# KiCad board Z3660_v023.kicad_pcb (continued)
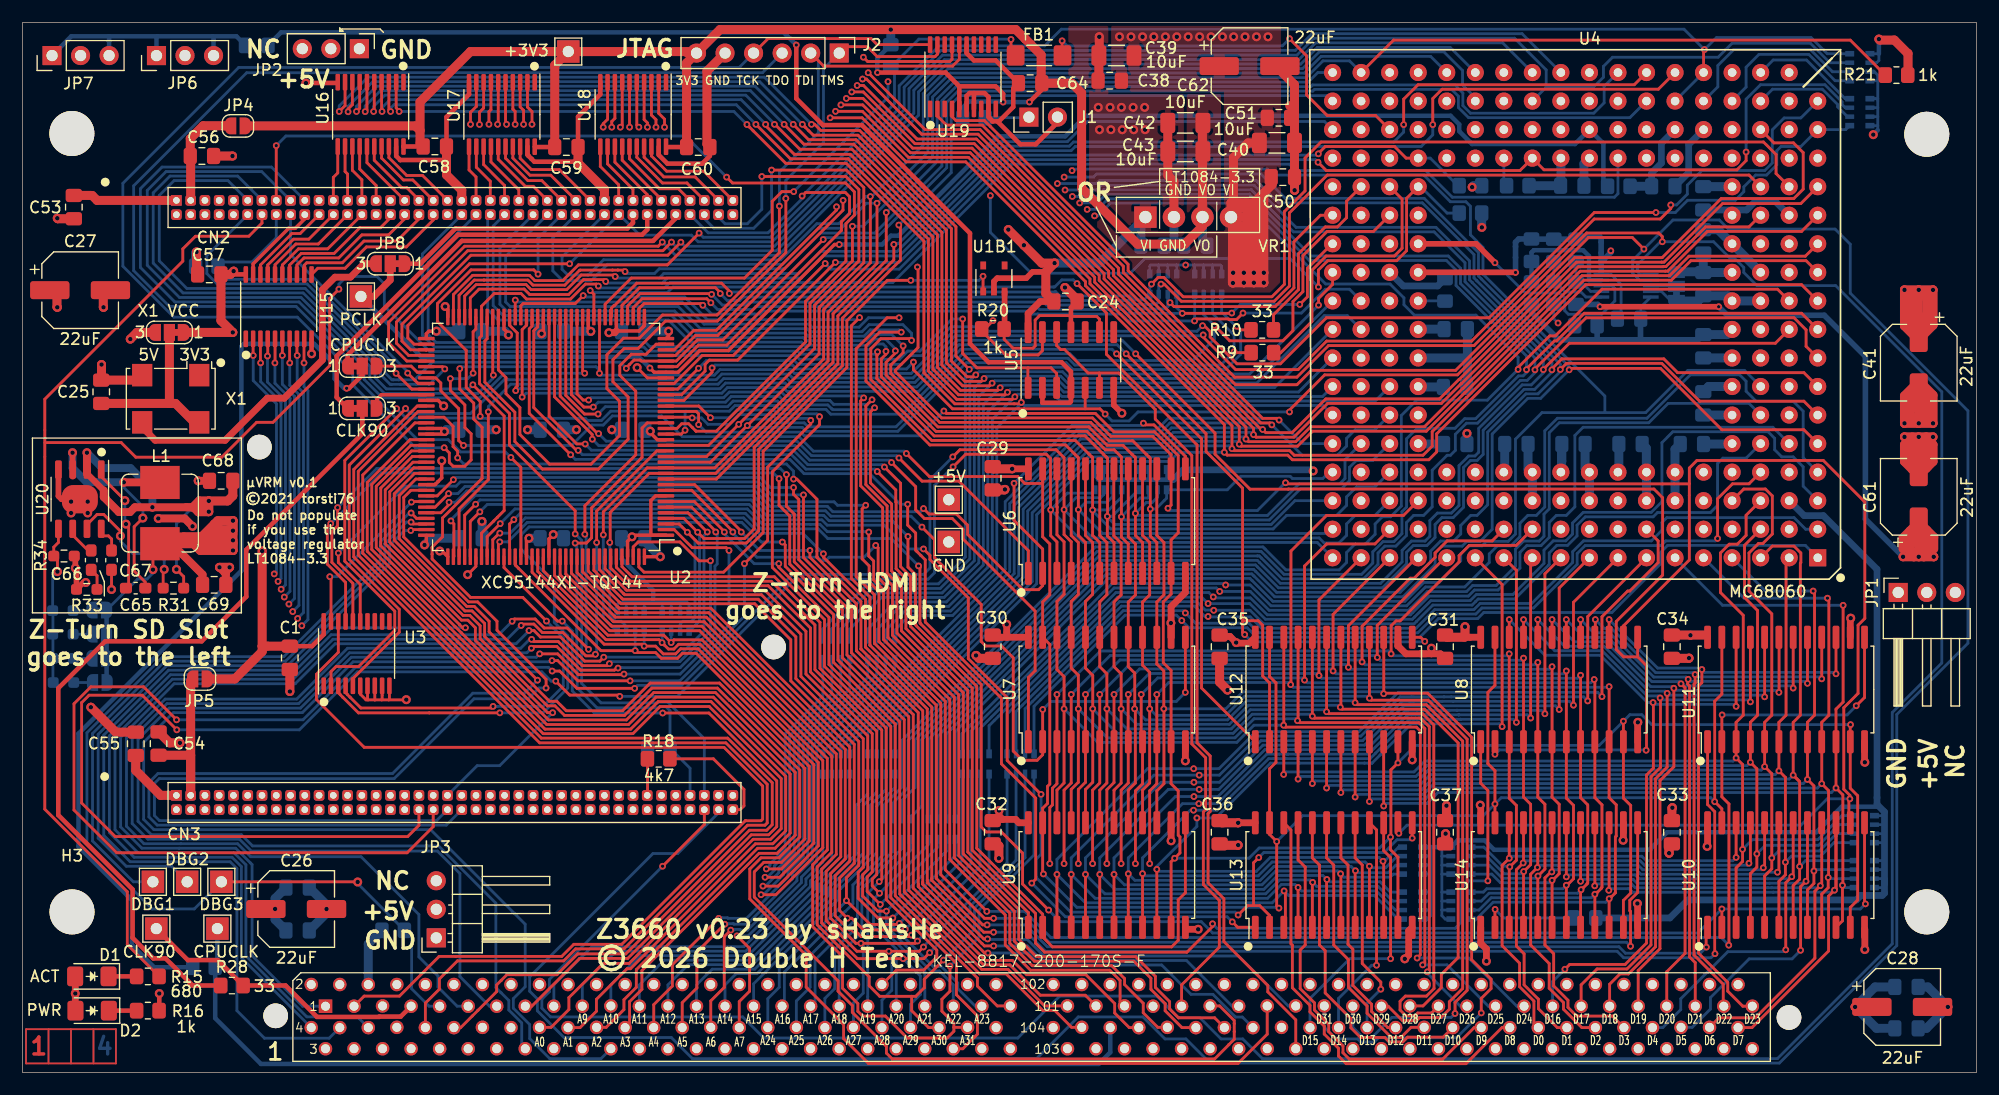
[diagram p0: board, top side]
## Routing (per net, layer and track width the routed paths; a pad name or vN(x,y) marks a point on that pad's centre or on a via; arc(x,y) is an arc through that point) (continued)
OEBUS5: length 123
  Top w0.25: v2(108.79,38.97) 108.6,39.16 108.6,40.2 ; U2.61 43.36,66.49 44.04,65.81 44.04,61.08 43.9,60.95 v2(43.9,60.67) ; 108.6,40.2 109.98,40.2 110.39,39.8 110.39,35.28 111,34.67 U12.2 ; 108.6,40.2 108.6,52 105.35,55.26 105.35,56.84 v2(98.24,63.96) ; v2(124.81,38.36) 124.45,38.73 123.7,38.73
  Bottom w0.25: v2(43.9,60.67) 44.08,60.85 62.08,60.85 62.58,61.35 67.88,61.35 68.22,61.01 79.6,61.01 83.35,64.76 97.43,64.76 v2(98.24,63.96) ; v2(124.81,38.36) 124.77,38.32 109.43,38.32 v2(108.79,38.97)
OEBUS6: length 182.5
  Top w0.25: v2(151.28,31.82) 151.26,31.8 U11.2 151.26,24.53 151.89,23.9 151.89,11.35 v2(151.87,11.33) ; v2(75.33,48.09) 75.33,45.95 75.76,45.52 75.76,43.83 76.64,42.95 76.64,38.53 82.14,33.03 82.14,18.04 v2(85.83,14.34) ; v2(42.52,48.84) 41.36,47.68 U2.116 ; v2(163.22,32.63) 163.96,33.37 163.96,38.73
  Bottom w0.25: v2(85.83,14.34) 89.2,14.34 91.53,12.01 151.2,12.01 v2(151.87,11.33) ; v2(75.33,48.09) 75.29,48.13 71.63,48.13 70.99,48.78 70.14,48.78 70.13,48.78 65.88,48.78 64.52,50.15 43.83,50.15 v2(42.52,48.84) ; v2(163.22,32.63) 162.41,31.82 v2(151.28,31.82)
OEBUS7: length 161.3
  Top w0.25: U10.2 v2(151.26,14.56) ; v2(164.03,15.01) 163.96,15.08 U10.13 ; v2(91.34,14.45) 89.02,16.77 89.02,19.52 87.14,21.41 85.79,21.41 85.34,21.86 85.34,34.54 79.96,39.92 79.96,39.94 79.89,40.01 79.89,44.95 v2(79.76,45.08) ; U2.120 43.36,48.81 v2(43.74,49.19)
  Bottom w0.25: v2(43.74,49.19) 44.29,49.75 64.35,49.75 65.73,48.38 70.82,48.38 71.68,47.52 77.32,47.52 v2(79.76,45.08) ; v2(164.03,15.01) 163.58,14.56 v2(151.26,14.56) 149.12,12.42 105.93,12.42 104.93,13.42 92.37,13.42 v2(91.34,14.45)
PCLK: length 133.9
  Top w0.3: v2(72.7,73.68) 72.27,73.68 62.84,64.25 60.29,64.25 58.36,62.31 U2.30 56.23,62.31 v2(55.85,62.69)
  Top w0.6: JP8.2 32.74,70.52 31.28,69.06 TP9.1
  Bottom w0.4: R12.1 140.72,79.23 140.72,82.66 139.47,83.9 138.19,82.62 129.02,82.62 127.88,83.76 127.88,84.36 127.11,85.14 94.64,85.14 92.81,83.31 86.82,83.31 77.98,74.47 77.31,74.47 76.52,73.68 v2(72.7,73.68) ; TP9.1 35.5,63.68 54.85,63.68 v2(55.85,62.69)
PCLK_FPGA: length 22.5
  Top w0.4: CN2.66 54.34,75.61 53.83,75.1 38.54,75.1 35.41,71.97 34.04,71.97 JP8.1
PCLK_OSC: length 31.9
  Top w0.6: JP8.3 31.43,71.97 30.39,71.97 29.2,70.78 27.82,70.78 26.7,69.66 26.7,63.41 23.3,60.01 21.79,60.01 18.04,56.26 11.82,56.26 10.66,57.42 X1.3
PS_MIO0: length 47.8
  Top w0.25: U2.78 37.39,62.81 v2(37.59,62.61)
  Bottom w0.25: v2(37.59,62.61) 36.23,61.24 35.07,61.24 35.07,61.24 33.66,61.24 33.66,61.24 32.85,61.24 32.85,61.24 32.72,61.24 31.87,62.1 31.87,63.07 25.17,69.77 14.63,69.77 12.18,72.22 12.18,78.05 13.5,79.37 18.28,79.37 CN2.11
PS_MIO8: length 68.6
  Top w0.25: U2.115 40.86,47.99 41.94,49.08 42.88,50.01 42.88,58.41 v2(40.09,61.2)
  Bottom w0.25: CN2.13 19.15,79.77 13.13,79.77 11.64,78.28 11.64,72.03 14.29,69.37 24.98,69.37 31.38,62.98 31.38,61.84 32.39,60.83 39.72,60.83 v2(40.09,61.2)
PS_MIO9: length 90.1
  Top w0.25: v2(22.59,82.48) CN2.15 ; v2(62.68,79.68) 63.2,79.16 73.26,79.16 74.05,78.37 74.05,76.29 73.3,75.54 73.3,72.21 69.7,68.61 69.7,65 61.76,57.07 59.95,57.07 59.94,57.08 59.61,57.41 59.61,57.41 59.29,57.73 58.67,57.73 58.25,57.31 U2.20
  Bottom w0.25: v2(22.59,82.48) 23.45,83.34 59.02,83.34 v2(62.68,79.68)
PS_MIO12: length 63.4
  Top w0.25: U2.64 41.86,62.11 v2(41.91,62.06)
  Bottom w0.25: 23.86,77.61 21.29,80.17 12.78,80.17 11.11,78.5 11.11,71.84 13.97,68.97 24.79,68.97 30.91,62.86 30.91,61.75 32.22,60.43 40.53,60.43 41.86,61.76 41.86,62 v2(41.91,62.06)
PS_MIO13: length 74.6
  Top w0.25: U2.48 49.86,62.41 v2(50.04,62.22)
  Bottom w0.25: v2(50.04,62.22) 50.04,62.22 42.89,62.22 40.7,60.03 32.06,60.03 30.41,61.68 30.41,62.77 24.61,68.57 13.56,68.57 10.5,71.64 10.5,78.65 12.42,80.57 22.16,80.57 CN2.19
PS_MIO15: length 20.5
  Top w0.25: v2(34.29,62.24) 34.93,61.59 34.93,61.59 35.14,61.39 35.14,61.39 35.21,61.31 U2.81
  Bottom w0.25: 23.86,76.34 23.86,72.78 34.29,62.35 v2(34.29,62.24)
PUP_4: length 8.9
  Top w0.25: v2(131.08,14.52) 131.06,14.5 U14.2
  Bottom w0.25: R14.2 131.84,13.76 v2(131.08,14.52)
R_W: length 96.9
  Top w0.25: CN1.5 30.41,6.8 33.55,6.8 37.08,10.33 38.55,10.33 38.55,10.33 48,10.33 49.07,11.41 53.34,11.41 64.34,22.41 64.37,22.41 64.37,22.41 65.74,22.41 65.89,22.55 65.89,25.49 62.44,28.94 30.42,28.94 26.16,33.19 26.16,35.44 28.11,37.39 U3.18
R_W040: length 169.7
  Top w0.25: v2(45.89,71.04) 45.51,71.42 39.93,71.42 36.93,68.42 36.93,66.82 39.5,64.26 39.5,60.96 40.74,59.71 v2(40.74,58.39) ; U2.19 58.63,56.81 v2(58.98,57.15) ; v2(106.09,66.48) 107.45,65.11 112.18,65.11 113.08,66.01 113.08,68.6 113.97,69.49 113.97,72.69 116.13,74.85 120.25,74.85 121.69,76.28 ; U3.2 27.46,35.67 27.91,36.12 29.92,36.12 33.14,39.35 33.14,41.05 28.69,45.5 28.69,54.46 v2(33.3,59.08)
  Bottom w0.25: v2(45.89,71.04) 45.89,74.24 CN2.56 ; 59.05,58.85 62.92,58.85 63.42,59.35 67.05,59.35 67.39,59.01 71.52,59.01 71.95,58.58 78.3,58.58 83.68,63.96 93.24,63.96 93.84,63.36 104.17,63.36 106.09,65.27 v2(106.09,66.48) 105.14,67.43 RN20.7 ; 59.05,58.85 52.36,58.85 51.53,58.02 50.3,58.02 50.1,58.21 40.92,58.21 v2(40.74,58.39) 40.59,58.24 34.14,58.24 v2(33.3,59.08) ; 59.05,58.85 58.98,58.77 v2(58.98,57.16)
RESETOUT: length 41.5
  Top w0.25: v2(86.38,66.9) 85.64,66.16 R20.1 85.38,65.98 87.5,63.86 90.4,63.86 90.78,64.23 U5.13 ; U2.27 58.32,60.81 v2(60.18,62.67)
  Bottom w0.25: v2(60.18,62.67) 60.86,63.35 68.7,63.35 69.04,63.01 78.22,63.01 79.01,63.8 80.08,63.8 82.64,66.36 82.68,66.36 82.69,66.36 85.84,66.36 v2(86.38,66.9)
SIZ0: length 124.6
  Top w0.25: U2.97 34.9,53.31 33.09,51.5 33.09,47.37 39.38,41.08 40.01,41.08 41.14,39.95 41.14,38.81 46.91,33.04 47.56,33.04 48.4,32.2 53.41,32.2 55.87,34.66 62.04,34.66 69.63,27.06 69.63,20.77 67.57,18.7 65.99,18.7 65.14,17.86 65.14,15.61 72.59,8.16 72.59,7.24 73.86,5.97 73.86,5.36 76.9,2.32 76.9,1.73 77.42,1.21 106.11,1.21 107.37,2.48 107.37,2.48 107.86,2.96 107.86,3.63 107.86,3.63 107.86,4.36 107.86,4.63 106.56,5.93 CN1.121
SIZ1: length 128.5
  Top w0.25: U2.96 34.83,53.81 32.69,51.67 32.69,47.2 39.22,40.68 39.81,40.68 40.74,39.76 40.74,38.61 46.72,32.62 47.4,32.62 48.24,31.78 53.59,31.78 56.02,34.21 61.85,34.21 62.95,33.11 62.99,33.11 69.19,26.91 69.19,20.95 67.34,19.11 65.74,19.11 64.74,18.11 64.74,15.45 69.76,10.43 69.76,7.6 73.09,4.27 73.09,3.02 75.3,0.81 108.19,0.81 110.79,3.41 CN1.129
SIZ40_0: length 108.8
  Top w0.25: U2.14 61.25,54.31 64.5,57.57 v2(64.52,57.57) 70.9,63.95 70.9,67.99 70.93,68.01 70.93,68.09 74.89,72.06 74.89,78.75 73.34,80.31 v2(66.68,80.31) ; R10.2 108.4,66.09 v2(108.08,66.41)
  Bottom w0.25: v2(66.68,80.31) 66.68,76.72 65.09,75.12 61.55,75.12 60.69,75.98 CN2.76 ; RN20.5 106.74,67.67 108,66.41 v2(108.08,66.41) 108.43,66.06 108.43,63.91 107.08,62.56 93.51,62.56 92.91,63.16 84.01,63.16 77.91,57.06 69.76,57.06 69.41,57.41 64.67,57.41 v2(64.52,57.57)
SIZ40_1: length 105.2
  Top w0.25: R9.2 107.92,64.05 v2(107.84,64.13) ; U2.15 60.89,54.81 v2(63.75,57.68) 70.5,64.43 70.5,68.15 70.51,68.16 70.51,68.28 74.45,72.22 74.45,78.58 73.29,79.73 v2(65.81,79.73)
  Bottom w0.25: v2(65.81,79.73) 65.81,76.81 64.52,75.53 62.54,75.53 61.96,76.1 61.96,76.34 ; RN20.6 105.94,67.53 107.84,65.62 v2(107.84,64.13) 106.66,62.96 93.68,62.96 93.07,63.56 83.85,63.56 77.75,57.46 69.93,57.46 69.58,57.81 66.89,57.81 66.56,58.14 64.22,58.14 v2(63.75,57.68)
TCK: length 139.9
  Top w0.25: v2(40.11,62.23) 40.11,65.91 40.36,66.16 40.36,67.22 U2.67 ; J2.4 66.37,92 75.54,92 76.07,91.47 U19.20 ; v2(37.54,55.59) 37.99,55.14 37.99,54.29 38.34,53.95 39.37,53.95 39.94,54.52 39.94,56.84 39.38,57.4 39.38,59.41 38.09,60.7 v2(38.09,61.75)
  Bottom w0.25: J2.4 63.8,89.44 19.25,89.44 8.94,79.12 8.94,71.75 13.47,67.22 24.47,67.22 29.4,62.29 29.4,61.19 34.99,55.59 v2(37.54,55.59) ; v2(38.09,61.75) 39.63,61.75 v2(40.11,62.23)
TDI: length 83.8
  Top w0.25: U19.16 83.39,90.16 82.79,89.56 71.32,89.56 J2.2 ; v2(67.37,77.09) 67.37,72.96 61.82,67.41 56.97,67.41 54.91,65.34 53.5,65.34 52.02,63.87 52.02,60.86 53.14,59.74 53.14,56.67 50.6,54.14 46.92,54.14 44.28,56.78 44.28,59.17 43.04,60.41 43.04,61.84 42.36,62.51 U2.63
  Bottom w0.25: v2(67.37,77.09) 67.37,80.14 70.84,83.61 70.84,90.03 J2.2
TDO: length 138.1
  Top w0.25: 82.74,91.61 82.74,90.16 82.55,89.97 75.23,89.97 v2(74.85,90.34) ; v2(43.47,54.73) 44.36,53.85 U2.122
  In2.Cu w0.25: J2.3 68.87,89.47 73.97,89.47 v2(74.85,90.34)
  Bottom w0.25: v2(43.47,54.73) 42.98,55.22 38.99,55.22 37.9,56.31 35.16,56.31 29.92,61.56 29.92,62.61 24.35,68.17 13.08,68.17 9.9,71.35 9.9,78.91 19.96,88.97 30.58,88.97 30.58,88.97 65.87,88.97 J2.3
THERM_N: length 10
  Top w0.5: v2(132.89,71.19) 132.88,71.2 U4.196
  Bottom w0.5: v2(132.89,71.19) NT3.2
THERM_P: length 24.7
  Top w0.5: v2(131.06,72.05) 129.37,73.74 U4.197
  Bottom w0.25: v2(131.06,72.05) 133.76,69.36 136.84,69.36 137.27,68.93 137.27,67.8 137.59,67.47 138.18,67.47 ; 138.18,67.47 138.16,67.45 R30.1 ; 138.18,67.47 140.55,67.47 141.73,68.65 141.73,69.77 141.49,70.01 U1.3
TM0: length 72.5
  Top w0.25: v2(102.14,68.51) 102.5,68.16 111.5,68.16 113.17,69.82 113.17,73.92 115.53,76.28 U4.114 ; U2.40 53.86,68.21 54.97,69.31 61.27,69.31 v2(61.34,69.25)
  Bottom w0.25: 101.94,68.66 101.94,68.46 ; 101.94,68.66 101.94,68.16 ; 101.94,68.66 RN19.6 ; 101.94,68.16 102.14,68.36 v2(102.14,68.51) ; 101.94,68.16 101.74,67.96 98.56,67.96 98.22,68.29 91.14,68.29 90.87,68.56 64.6,68.56 64.34,68.29 62.29,68.29 v2(61.34,69.25)
TM1: length 70.1
  Top w0.25: v2(103.24,67.55) 107.61,67.55 v2(107.64,67.58) ; v2(61.27,68.49) 60.91,68.85 55.15,68.85 54.36,68.06 U2.39 ; U4.108 116.56,73.74 114.37,71.56 114.37,69.03 v2(113.69,68.35)
  Bottom w0.25: v2(107.64,67.58) 108.4,68.35 v2(113.69,68.35) ; RN19.5 102.74,68.05 v2(103.24,67.55) 98.3,67.55 97.96,67.89 90.54,67.89 90.27,68.16 65.25,68.16 64.99,67.89 61.88,67.89 v2(61.27,68.49)
TM2: length 70.1
  Top w0.25: v2(108.64,67.58) 108.06,67 107.4,67 107.35,67.06 104.5,67.06 v2(104.32,66.88) ; U2.38 54.86,67.96 54.93,68.03 54.93,68.03 55.14,68.24 55.14,68.24 55.33,68.42 60.41,68.42 60.56,68.28 v2(60.56,68.27)
  Bottom w0.25: U4.95 118.11,69.7 115.96,69.7 113.84,67.58 v2(108.64,67.58) ; RN20.8 104.34,66.89 v2(104.32,66.88) 98.41,66.88 98.14,67.15 98.14,67.15 97.8,67.49 90.37,67.49 90.37,67.49 89.89,67.49 89.62,67.75 65.9,67.75 65.64,67.49 65.15,67.49 65.15,67.49 61.34,67.49 60.56,68.27 v2(60.56,68.27)
TMS: length 81.5
  Top w0.25: U19.19 81.44,90.61 81.24,90.41 76.08,90.41 75.2,91.28 73.27,91.28 J2.1 ; U2.65 41.36,65.3 41.16,65.09 41.16,61.43 43.83,58.76 43.83,56.15 46.28,53.7 51.26,53.7 53.91,56.34 53.91,60.12 52.56,61.47 52.56,63.44 53.55,64.43 54.8,64.43 57.24,66.87 61.84,66.87 67.95,72.97 v2(67.95,77.78)
  Bottom w0.25: v2(67.95,77.78) 67.95,79.4 71.3,82.75 71.3,89.31 J2.1
TT0: length 115
  Top w0.25: v2(62.11,69.32) 62.11,69.41 61.67,69.84 54.93,69.84 53.36,68.27 U2.41 ; v2(101.34,70.15) 101.62,70.15 103.15,68.63 111.41,68.63 112.77,69.99 112.77,76.49 116.14,79.86 153.67,79.86 U4.117
  Bottom w0.25: v2(101.34,70.15) 101.14,69.95 RN19.7 101.14,68.61 100.89,68.36 98.72,68.36 98.39,68.69 91.84,68.69 91.52,69 64.15,69 63.84,68.69 62.73,68.69 v2(62.11,69.32)
TT1: length 123.4
  Top w0.25: U4.116 156.08,79.99 156.08,81.68 154.96,82.8 115.58,82.8 114.16,81.38 114.16,78.45 112.32,76.61 112.32,70.14 111.21,69.03 103.31,69.03 101.59,70.75 101.09,70.75 v2(100.49,70.15) ; v2(62.92,69.32) 63.02,69.42 63.02,69.43 62.22,70.24 54.68,70.24 52.68,68.24 52.64,68.24 52.43,68.03 52.43,67.3 U2.43
  Bottom w0.25: v2(100.49,70.15) 100.34,70 RN19.8 99.84,68.75 98.89,68.75 98.54,69.11 92.34,69.11 91.94,69.5 91.89,69.45 63.05,69.45 v2(62.92,69.32)
V_DETECTOR: length 50.7
  Top w0.25: U1B1.1 85.5,69.52 v2(85.5,70.86) ; v2(79.07,70.49) 76.97,70.49 73.38,66.9 73.38,62.73 65.93,55.28 65.93,48.04 62.41,44.52 55.32,44.52 54.86,44.98 U2.143
  Bottom w0.25: v2(85.5,70.86) 85.13,70.49 v2(79.07,70.49)
XADC_TEMP_P: length 0.1
  Top w0.25: 16.16,76.25 16.24,76.33
Net-(C66-Pad1): length 2.3
  Top w0.25: R33.1 6.64,44.21 C66.1 6.12,44.35
Net-(CN2-Pin_22): length 7.9
  Top w0.25: CN2.22 24.72,74.66 23.98,74.66 21.18,71.86 21.18,71.02 U15.18
Net-(CN2-Pin_23): length 5
  Top w0.25: U16.11 28.06,80.05 27.67,79.66 CN2.23
Net-(CN2-Pin_24): length 8.5
  Top w0.25: U15.17 21.83,71.86 24.13,74.16 25.49,74.16 CN2.24
Net-(CN2-Pin_25): length 4.9
  Top w0.25: 28.94,77.61 28.94,79.95 28.71,80.17 U16.12
Net-(CN2-Pin_26): length 9.2
  Top w0.25: 28.94,76.33 28.9,76.33 ; 28.94,76.34 26.33,73.72 24.33,73.72 22.48,71.88 U15.16
Net-(CN2-Pin_27): length 5.1
  Top w0.25: U16.13 29.36,80.28 30.21,79.44 CN2.27
Net-(CN2-Pin_28): length 9.9
  Top w0.25: CN2.28 27.17,73.3 24.57,73.3 23.13,71.86 U15.15 ; 30.21,76.33 30.14,76.33
Net-(CN2-Pin_29): length 5.4
  Top w0.25: U16.14 30.01,80.4 31.48,78.93 CN2.29
Net-(CN2-Pin_32): length 11.8
  Top w0.25: U15.14 23.78,71.85 24.82,72.89 27.74,72.89 30.03,75.18 31.87,75.18 32.75,76.06 CN2.32
Net-(CN2-Pin_33): length 6.2
  Top w0.25: 34.02,77.61 30.66,80.96 30.66,82.4
Net-(CN2-Pin_34): length 12.5
  Top w0.25: U15.13 24.43,71.86 25.06,72.49 28.16,72.49 30.21,74.53 32.59,74.53 34.02,75.97 34.02,76.34
Net-(CN2-Pin_35): length 6.7
  Top w0.25: U16.16 31.31,81.18 33.76,78.74 34.21,78.74 35.29,77.65 CN2.35
Net-(CN2-Pin_36): length 13.1
  Top w0.25: CN2.36 35.29,75.96 33.32,73.99 30.4,73.99 28.47,72.06 25.3,72.06 25.08,71.84 U15.12
Net-(CN2-Pin_37): length 7.2
  Top w0.25: CN2.37 34.74,79.42 33.91,79.42 31.96,81.37 31.96,82.4
Net-(CN2-Pin_38): length 13.3
  Top w0.25: CN2.38 36.56,75.86 34.17,73.47 30.62,73.47 28.72,71.56 26.28,71.56 U15.11
Net-(CN2-Pin_39): length 7.8
  Top w0.25: CN2.39 35.61,79.82 34.2,79.82 32.61,81.41 U16.18
Net-(CN2-Pin_43): length 5
  Top w0.25: U17.11 39.75,80.31 40.37,79.69 CN2.43
Net-(CN2-Pin_45): length 5.3
  Top w0.25: U17.12 40.4,80.55 41.64,79.31 41.64,77.61
Net-(CN2-Pin_47): length 5.6
  Top w0.25: U17.13 41.05,80.79 42.91,78.93 CN2.47
Net-(CN2-Pin_49): length 5.8
  Top w0.25: CN2.49 44.18,78.55 41.7,81.03 41.7,82.38
Net-(CN2-Pin_53): length 7
  Top w0.25: CN2.53 45.47,78.86 44.76,78.86 42.35,81.27 U17.15
Net-(CN2-Pin_55): length 7.6
  Top w0.25: 43,82.38 43,81.35 44.99,79.37 46.23,79.37 CN2.55
Net-(CN2-Pin_57): length 8.2
  Top w0.25: CN2.57 47.02,79.84 45.17,79.84 43.65,81.37 U17.17
Net-(CN2-Pin_59): length 8.8
  Top w0.25: U17.18 44.3,81.35 45.3,80.34 47.79,80.34 CN2.59
Net-(CN2-Pin_63): length 5.5
  Top w0.25: U18.11 51.43,80.63 53.07,78.99 CN2.63
Net-(CN2-Pin_65): length 5.7
  Top w0.25: U18.12 52.08,80.85 54.34,78.59 CN2.65
Net-(CN2-Pin_67): length 6
  Top w0.25: CN2.67 55.61,78.12 52.73,81 U18.13
Net-(CN2-Pin_69): length 6.2
  Top w0.25: CN2.69 56.88,77.68 53.38,81.18 U18.14
Net-(CN2-Pin_73): length 8
  Top w0.25: U18.15 54.03,81.31 56.7,78.65 58.38,78.65 CN2.73
Net-(CN2-Pin_75): length 8.5
  Top w0.25: CN2.75 59.14,79.16 56.96,79.16 54.68,81.44 U18.16
Net-(CN2-Pin_77): length 9.2
  Top w0.25: 61.96,77.61 59.87,79.7 57.09,79.7 55.33,81.45 U18.17
Net-(CN2-Pin_79): length 9.7
  Top w0.25: U18.18 55.98,81.56 57.34,80.21 60.63,80.21 CN2.79
Net-(D1-K): length 2.5
  Top w0.4: R15.2 D1.1
Net-(D2-K): length 2.5
  Top w0.4: R16.2 D2.1
Net-(J1-A): length 55.8
  Top w0.25: 68.75,78.39 v2(68.65,78.39) 67.6,78.39 66.74,77.53 66.74,73.17 64.27,70.7 54.19,70.7 51.86,68.37 U2.44
  In2.Cu w0.25: J1.1 80.2,85.02 v2(77.04,88.18)
  Bottom w0.25: v2(68.65,78.39) 77.04,86.78 v2(77.04,88.18) ; R3.1 85.7,84.96 89.53,84.96 J1.1
Net-(JP9-C): length 75.7
  Top w0.4: R28.1 15.15,7.74 12.74,10.16 11.64,10.16 9.81,11.99 9.81,16.29 3.19,22.91 3.19,34.2 7.36,38.37 15.95,38.37 19.92,42.34 19.92,46.52 30.25,56.85 JP9.2
Net-(JP10-C): length 82
  Top w0.4: v2(28.86,60.89) 29.06,60.89 30.25,62.07 JP10.2
  Bottom w0.4: R29.1 11.72,9.37 9.74,11.36 9.74,15.36 4.99,20.11 4.99,30.16 19.49,44.66 19.49,64.62 19.71,64.84 25.96,64.84 27.79,63.01 27.79,61.73 28.64,60.89 v2(28.86,60.89)
Net-(JP11-C): length 15.7
  Top w0.8: 13.08,59.54 13.62,59.54 15.3,57.86 X1.4 ; 13.08,59.54 C25.1 ; 13.08,59.54 13.08,65.86 JP11.2
Net-(JP12-C): length 2.3
  Bottom w0.25: JP12.2 147.16,70.01 U1.8
Net-(JP13-B): length 1.7
  Bottom w0.25: JP13.2 6.14,41.11 4.51,41.11
Net-(JP14-B): length 1.7
  Bottom w0.25: 4.51,39.01 JP14.2
Net-(JP15-B): length 1.7
  Bottom w0.25: R36.2 JP15.2
Net-(JP16-B): length 1.7
  Bottom w0.25: R37.2 JP16.2
Net-(R19-Pad1): length 99.6
  Top w0.4: U5.2 90.78,59.59 93.21,59.59 93.32,59.7 U5.4 93.32,62.37 92.49,63.21 85.99,63.21 84.34,64.86 84.34,74.68 74.71,84.3 71.25,84.3 68.88,86.68 v2(68.88,91.43)
  Bottom w0.4: R19.1 23.01,92.56 67.75,92.56 v2(68.88,91.43)
Net-(RN1-R3.2): length 16.8
  Bottom w0.25: 149.63,86.44 150.9,87.71 150.9,89.6 152.32,91.02 159.14,91.02 161.1,89.06 RN1.6
Net-(RN1-R4.2): length 14.2
  Bottom w0.25: U4.148 153.42,87.69 153.42,89.45 154.56,90.6 159,90.6 161.34,88.25 RN1.5
Net-(RN2-R1.2): length 9.8
  Bottom w0.25: U4.164 155.82,90.1 158.79,90.1 162.24,86.66 RN2.8
Net-(RN2-R3.2): length 9.5
  Bottom w0.25: U4.147 155.77,87.5 160.2,87.5 161.56,86.14 161.56,85.93 162.44,85.06 RN2.6
Net-(U1-V1): length 6.6
  Bottom w0.25: R23.2 R27.1 136.4,70.36 137.31,69.46 138.71,69.46 139.16,69.01 U1.1
Net-(U1-V2): length 4.4
  Bottom w0.25: R25.2 R26.1 138.74,70.35 139.58,69.51 U1.2
Net-(U1-V4): length 11.3
  Bottom w0.4: U1.4 139.43,70.51 139.43,72.65 138.91,73.17 134.52,73.17 134.32,72.97 R24.2 R22.1
Net-(U2-P106): length 55
  Top w0.25: U2.106 34.76,48.81 v2(34.59,48.98)
  Bottom w0.25: v2(34.59,48.98) 34.19,48.98 32.25,47.05 32.25,45.44 23.42,36.6 12.67,36.6 6.24,30.16 6.24,20.61 9.87,16.97 DBG1.1
Net-(U2-P107): length 56.5
  Top w0.25: v2(34.56,48.23) 34.64,48.31 U2.107
  Bottom w0.25: v2(34.56,48.23) 34,48.23 32.66,46.89 32.66,45.28 32.65,45.27 32.65,45.27 23.58,36.2 12.84,36.2 6.74,30.1 6.74,20.86 9.24,18.36 13.27,18.36 DBG2.1
Net-(U4-~{TS}): length 36.3
  Top w0.25: v2(92.54,91.81) 92.54,90.54 FB1.2 ; v2(112.78,91.99) 114.3,90.47 114.3,86.99 116.13,85.16 120.43,85.16 121.69,83.9
  Bottom w0.25: v2(92.54,91.81) 92.98,91.36 112.14,91.36 v2(112.78,91.99)
Net-(U20-BS): length 12.3
  Top w0.25: 9.5,43.3 9.37,43.17 ; 9.37,43.17 9.31,43.11 C65.1 9.45,43.35 9.45,48.56 v1(9.22,48.8) ; 9.37,43.17 9.46,43.26 ; 9.37,43.17 9.45,43.25 ; U20.1 7.01,53.03 9.12,50.92 v1(9.12,50.89)
  Bottom w0.25: v1(9.12,50.89) 9.12,48.9 v1(9.22,48.8)
Net-(U20-COMP): length 2.8
  Top w0.25: C66.2 5.84,46.45 4.47,47.82 U20.6
Net-(U20-EN): length 13
  Top w0.25: R31.1 12.52,44.68 v1(12.62,44.77) ; 5.74,47.75 5.74,48.76 6.64,49.66 7.24,49.66 8.72,48.17 v1(8.72,47.76)
  Bottom w0.25: v1(8.72,47.76) 8.72,47.29 9.83,46.18 12.03,46.18 12.62,45.59 v1(12.62,44.77)
Net-(U20-FB): length 14.2
  Top w0.25: v1(3.12,44.58) 3.12,45.63 R34.1 2.79,46.76 3.2,47.17 U20.5
  Bottom w0.25: v1(3.12,44.58) 2.69,44.15 R32.1 2.71,41.08 2.71,34.73 R37.1
Net-(U20-SS): length 2.1
  Top w0.25: 7.01,47.75 7.65,47.75 7.94,47.47 7.94,46.47 C67.2
Net-(U20-SW): length 22.7
  Top w0.25: v1(10.72,49.34) 9.94,48.57 9.94,44.62 10.92,43.65 10.92,43.12 C65.2
  Top w0.5: v1(4.46,55.16) 4.46,53.79 4.47,53.77 4.47,53.03
  Top w0.7: L1.2 12.22,52.52 v1(9.02,52.52)
  Bottom w0.25: v1(9.02,52.52) 9.02,52.06 10.72,50.36 v1(10.72,49.34)
  Bottom w0.7: v1(4.46,55.16) 4.46,53.79 5.71,52.53 9.01,52.53 v1(9.02,52.52)

## Copper pours and planes (outline as drawn; the poured copper is in the pictures)
+3V3 on Top: 103.63,87.04 106.68,87.04 106.68,76.12 103.63,76.12
+3V3 on In2.Cu: 173.86,51.1 162.43,51.1 162.43,43.86 114.43,43.89 114.43,72.06 106.81,72.06 106.81,64.69 60.45,64.69 60.45,45.89 17.79,45.89 17.79,72.44 90.07,72.44 90.07,86.66 105.92,86.66 105.92,76.37 114.43,76.37 114.47,93.14 173.86,93.14
+5V on Top: 96.9,93.14 112.01,93.14 112.02,69.39 95.63,69.39 95.66,77.59 101.11,77.6 101.11,74.85 106.95,74.85 106.93,87.3 96.9,87.3
+5V on In2.Cu: 162.69,50.85 162.69,43.61 114.12,43.59 113.92,71.68 107.32,71.68 107.32,64.18 60.83,64.18 60.83,45.64 17.41,45.54 17.41,72.72 89.81,72.82 89.81,87.04 106.31,87.04 106.3,76.88 114.17,76.88 114.17,93.14 0,93.14 0,0.3 173.93,0.3 173.93,50.85
Earth on Top: 93.09,93.14 96.65,93.14 96.65,87.04 103.38,87.04 103.38,75.36 101.47,75.36 101.47,78.02 93.09,78.02
Earth on Bottom: 1.34,42.31 1.29,56.72 19.11,56.68 19.14,42.25
Earth on In1.Cu: 0,93.14 173.86,93.14 173.93,0.3 0,0.3

## Text on the board
Bottom: 4
B.Silkscreen: 3.34V | 3.52V | 3.46V | 3.42V | 1
Top: 1
F.Silkscreen: A0 | A1 | A9 | A2 | A10 | A3 | A11 | A4 | A12 | A5 | A13 | A6 | A14 | A7 | A15 | A24 | A16 | A25 | A17 | A26 | A18 | A27 | A19 | A28 | A20 | A29 | A21 | A30 | A22 | A31 | A23 | D15 | D31 | D14 | D30 | D13 | D29 | D12 | D28 | D11 | D27 | D10 | D26 | D9 | D25 | D8 | D24 | D0 | D16 | D1 | D17 | D2 | D18 | D3 | D19 | D4 | D20 | D5 | D21 | D6 | D22 | D7 | D23 | 3V3 GND TCK TDO TDI TMS | 2 | 4 | 1 | 3 | 102 | 104 | 101 | 103 | Do not populate / if you use the / voltage regulator / LT1084-3.3 | µVRM v0.1 | ©2021 torsti76 | VI GND VO | GND VO VI | LT1084-3.3 | PWR | ACT | 5V | X1 VCC | 3V3 | CLK90 | CPUCLK | NC | +5V | GND | OR | Z-Turn SD Slot / goes to the left | Z-Turn HDMI / goes to the right | Z3660 v0.23 by sHaNsHe / © 2026 Double H Tech
In1.Cu: 2
In2.Cu: 3
